# Altium PCB base-32-bit.PcbDoc (part 2 of 3) (continued)
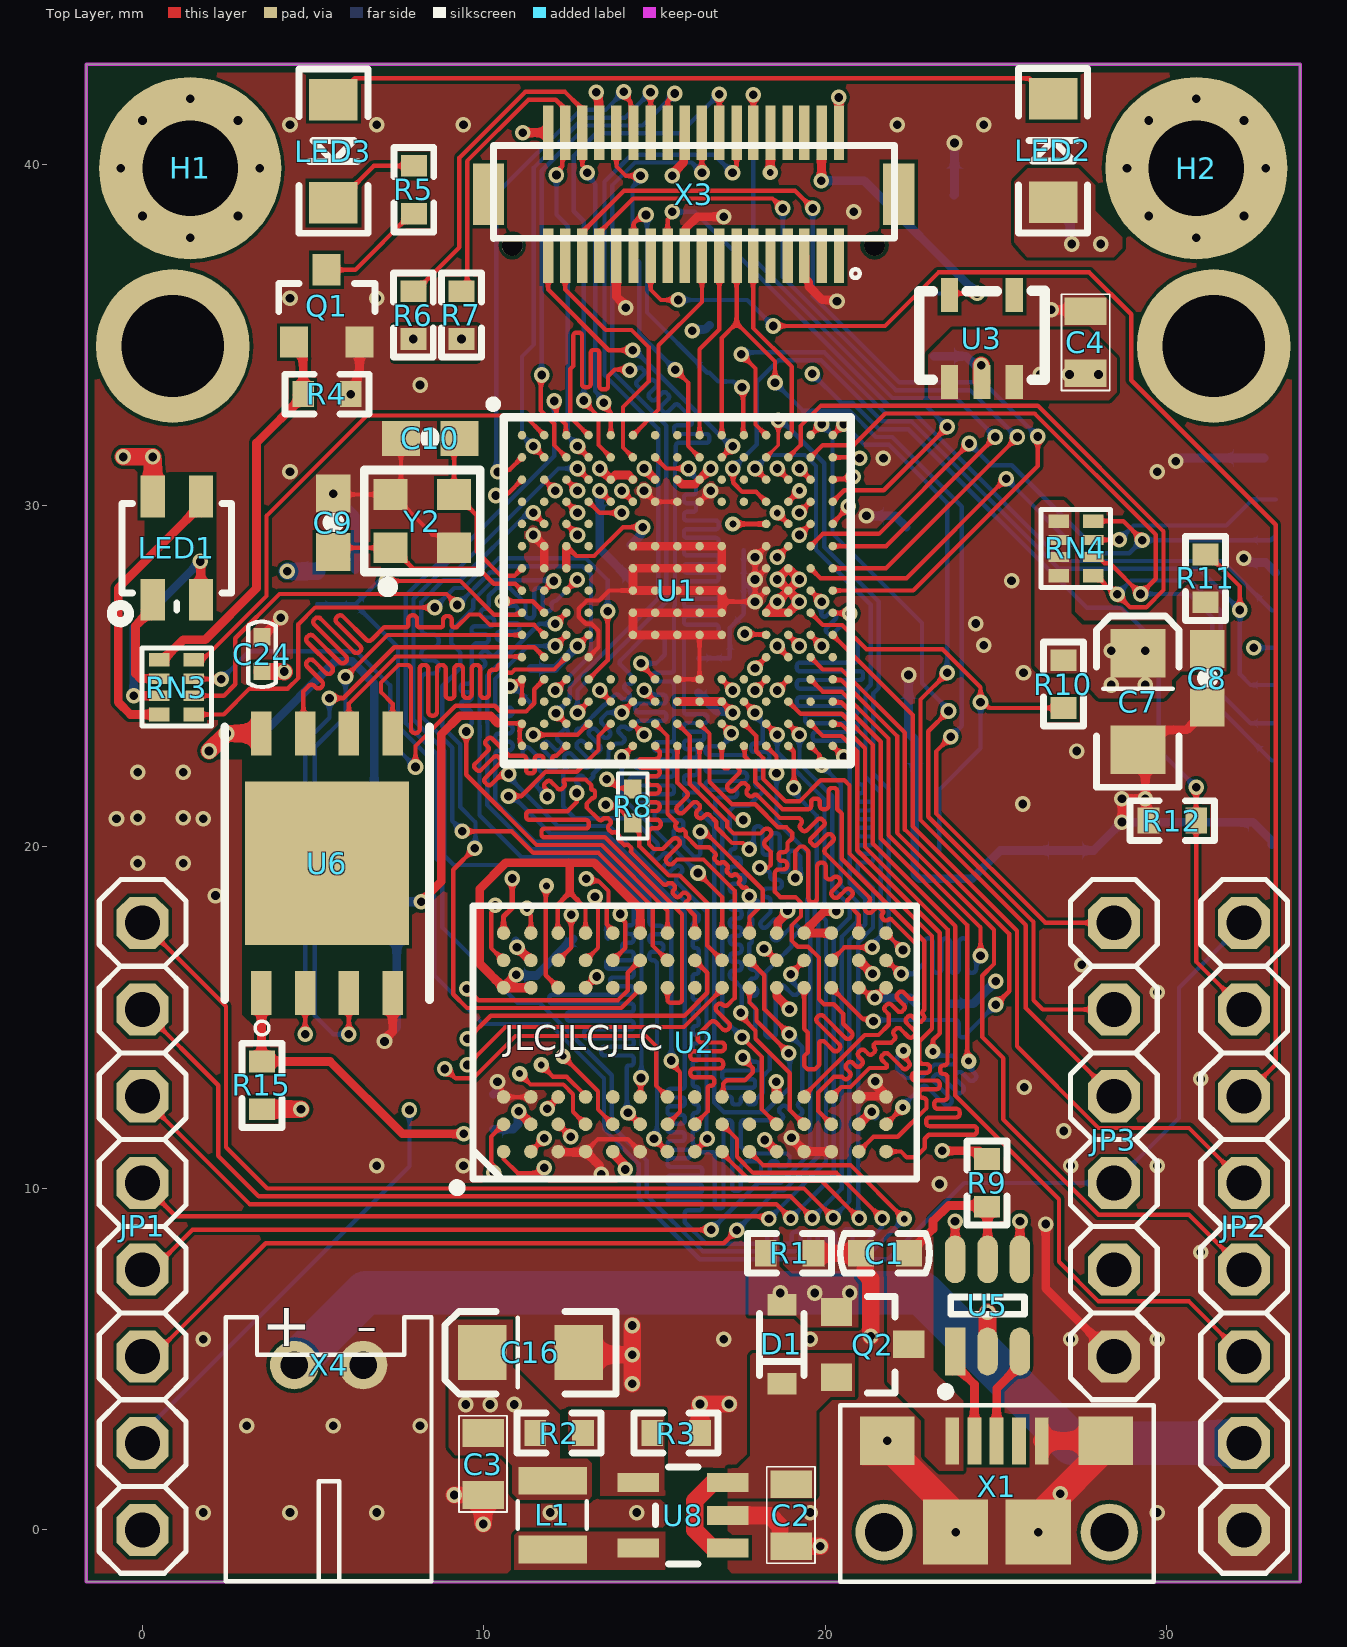
[diagram p0: Top Layer view]
## Nets (pads, with @x,y where several pads share a name; then routed paths per layer and width w, separated by ;. In a path a pad name is that pad's centre, name@x,y a point inside that pad or via, vN(x,y) a via of type N, cw(c..) or ccw(c..) an arc to the next point about the centre after c; other vN are vias at no path point) (continued)
DRAM_D10: U1.N11 U2.M2 | length 19.2
  Top Layer w0.127: v1(17.519,15.142) 17.519,15.053 17.752,14.82 17.752,14.815 17.951,14.615 17.951,14.382 18.954,13.379 18.954,12.3 U2.M2@19.374,11.88 ; U1.N11@17.613,24.26 v1(17.938,23.935)
  Bottom Layer w0.127: v1(17.519,15.142) 17.544,15.167 17.544,15.888 17.304,16.129 cw(c17.304,16.231) 17.202,16.231 17.202,16.281 cw(c17.304,16.281) 17.304,16.383 17.443,16.383 ccw(c17.443,16.485) 17.544,16.485 17.544,16.535 ccw(c17.443,16.535) 17.443,16.637 17.304,16.637 cw(c17.304,16.739) 17.202,16.739 17.202,16.789 cw(c17.304,16.789) 17.304,16.891 17.443,16.891 ccw(c17.443,16.993) 17.544,16.993 17.544,17.043 ccw(c17.443,17.043) 17.443,17.145 17.304,17.145 cw(c17.304,17.247) 17.202,17.247 17.202,17.297 cw(c17.304,17.297) 17.304,17.399 17.443,17.399 ccw(c17.443,17.501) 17.544,17.501 17.544,17.551 ccw(c17.443,17.551) 17.443,17.653 17.304,17.653 cw(c17.304,17.755) 17.202,17.755 17.202,17.805 cw(c17.304,17.805) 17.304,17.907 17.443,17.907 ccw(c17.443,18.009) 17.544,18.009 17.544,18.059 ccw(c17.443,18.059) 17.443,18.161 17.304,18.161 cw(c17.304,18.263) 17.202,18.263 17.202,18.313 cw(c17.304,18.313) 17.304,18.415 ccw(c17.304,18.472) 17.361,18.472 17.361,18.612 ccw(c17.304,18.612) 17.304,18.669 cw(c17.304,18.771) 17.202,18.771 17.202,18.821 cw(c17.304,18.821) 17.304,18.923 17.535,18.923 ccw(c17.535,19.025) 17.637,19.025 17.637,19.075 ccw(c17.535,19.075) 17.535,19.177 17.304,19.177 cw(c17.304,19.279) 17.202,19.279 17.202,19.329 cw(c17.304,19.329) 17.304,19.431 17.419,19.431 ccw(c17.419,19.533) 17.521,19.533 17.521,19.583 ccw(c17.419,19.583) 17.419,19.685 17.304,19.685 cw(c17.304,19.787) 17.202,19.787 17.202,19.837 cw(c17.304,19.837) 17.304,19.939 ccw(c17.304,19.996) 17.361,19.996 17.361,20.32 17.202,20.479 17.202,21.076 17.335,21.209 17.755,21.209 18.161,21.615 18.161,21.662 ccw(c18.059,21.662) 18.059,21.764 18.04,21.764 cw(c18.04,21.865) 17.938,21.865 17.938,21.916 cw(c18.04,21.916) 18.04,22.018 18.059,22.018 ccw(c18.059,22.119) 18.161,22.119 18.161,22.17 ccw(c18.059,22.17) 18.059,22.272 18.04,22.272 cw(c18.04,22.373) 17.938,22.373 17.938,22.424 cw(c18.04,22.424) 18.04,22.526 18.258,22.526 ccw(c18.258,22.627) 18.36,22.627 18.36,22.678 ccw(c18.258,22.678) 18.258,22.78 17.923,22.78 cw(c17.923,22.881) 17.822,22.881 17.822,22.932 cw(c17.923,22.932) 17.923,23.034 18.059,23.034 ccw(c18.059,23.135) 18.161,23.135 18.161,23.623 17.938,23.846 v1(17.938,23.935)
DRAM_D11: U1.P11 U2.P1 | length 20.1
  Top Layer w0.127: U1.P11@17.613,23.61 17.973,23.25 17.973,22.807 18.174,22.606 18.174,21.998 18.836,21.336 19.238,21.336 19.861,21.958 20.549,21.958 20.703,21.804 20.703,19.81 23.12,17.393 23.12,14.674 22.755,14.31 22.755,13.745 ccw(c22.857,13.745) 22.857,13.643 22.96,13.643 cw(c22.96,13.542) 23.062,13.542 23.062,13.491 cw(c22.96,13.491) 22.96,13.389 22.734,13.389 22.63,13.389 ccw(c22.63,13.288) 22.528,13.288 22.528,13.262 ccw(c22.63,13.262) 22.63,13.161 23.018,13.161 23.245,13.161 cw(c23.245,13.059) 23.346,13.059 23.346,13.008 cw(c23.245,13.008) 23.245,12.907 22.857,12.907 ccw(c22.857,12.805) 22.755,12.805 22.755,12.754 ccw(c22.857,12.754) 22.857,12.653 cw(c22.857,12.551) 22.958,12.551 22.958,12.354 22.119,11.515 21.409,11.515 U2.P1@20.974,11.08
DRAM_D12: U1.R11 U2.N2 | length 20.2
  Top Layer w0.127: U1.R11@17.613,22.96 17.637,22.936 17.637,22.648 17.945,22.34 17.945,21.904 18.741,21.107 19.482,21.107 ccw(c19.482,21.209) 19.583,21.209 19.583,21.316 cw(c19.685,21.316) 19.685,21.417 19.736,21.417 cw(c19.736,21.316) 19.837,21.316 19.837,21.209 ccw(c19.939,21.209) 19.939,21.107 19.99,21.107 ccw(c19.99,21.209) 20.091,21.209 20.091,21.628 cw(c20.193,21.628) 20.193,21.73 20.244,21.73 cw(c20.244,21.628) 20.345,21.628 20.345,21.107 20.475,20.978 20.475,19.658 22.891,17.241 22.891,15.233 22.861,15.203 ccw(c22.921,15.143) 22.861,15.083 cw(c22.79,15.011) 22.861,14.94 22.826,14.904 cw(c22.754,14.975) 22.682,14.904 22.557,15.029 ccw(c22.485,14.957) 22.413,15.029 22.377,14.993 ccw(c22.449,14.921) 22.377,14.849 22.602,14.624 cw(c22.531,14.552) 22.602,14.48 22.566,14.444 cw(c22.495,14.516) 22.423,14.444 22.198,14.669 ccw(c22.126,14.597) 22.054,14.669 22.018,14.633 ccw(c22.09,14.562) 22.018,14.49 cw(c21.953,14.425) 22.018,14.36 21.924,14.266 21.467,14.266 21.425,14.224 ccw(c21.473,14.176) 21.425,14.128 cw(c21.353,14.056) 21.425,13.984 21.389,13.948 cw(c21.317,14.02) 21.245,13.948 21.157,14.036 ccw(c21.085,13.964) 21.014,14.036 20.978,14 ccw(c21.05,13.928) 20.978,13.856 21.066,13.769 cw(c20.994,13.697) 21.066,13.625 21.03,13.589 cw(c20.958,13.661) 20.886,13.589 20.798,13.677 ccw(c20.726,13.605) 20.654,13.677 20.619,13.641 ccw(c20.69,13.569) 20.619,13.497 20.706,13.409 cw(c20.634,13.337) 20.706,13.266 20.67,13.23 cw(c20.599,13.302) 20.527,13.23 20.485,13.271 20.249,13.271 19.787,12.809 19.787,12.267 U2.N2@20.174,11.88
DRAM_D13: U1.P15 U2.R1 | length 20.2
  Top Layer w0.127: U1.P15@20.213,23.61 20.237,23.586 20.467,23.586 21.16,22.893 21.16,19.999 23.577,17.583 23.577,13.987 23.575,13.985 23.575,13.706 cw(c23.473,13.706) 23.473,13.604 23.463,13.604 ccw(c23.463,13.502) 23.361,13.502 23.361,13.452 ccw(c23.463,13.452) 23.463,13.35 23.473,13.35 cw(c23.473,13.248) 23.575,13.248 23.575,12.69 cw(c23.473,12.69) 23.473,12.588 23.288,12.588 ccw(c23.288,12.486) 23.187,12.486 23.187,12.436 ccw(c23.288,12.436) 23.288,12.334 23.827,12.334 cw(c23.827,12.232) 23.929,12.232 23.929,12.182 cw(c23.827,12.182) 23.827,12.08 23.05,12.08 ccw(c23.05,11.978) 22.948,11.978 22.948,11.928 ccw(c23.05,11.928) 23.05,11.826 24.335,11.826 cw(c24.335,11.724) 24.437,11.724 24.437,11.674 cw(c24.335,11.674) 24.335,11.572 23.027,11.572 22.911,11.455 22.911,11.189 22.631,10.909 22.382,10.909 22.211,11.08 U2.R1@21.774,11.08
DRAM_D14: U1.P14 U2.N3 | length 19.1
  Top Layer w0.127: U1.P14@19.563,23.61 19.923,23.25 20.48,23.25 20.932,22.798 20.932,19.905 23.348,17.488 23.348,14.541 23.145,14.338 v4(23.145,14.012) ; U2.N3@20.174,12.68 20.465,12.971 20.735,12.971 21.293,13.529 21.774,13.529 ccw(c21.715,13.588) 21.774,13.647 21.664,13.756 cw(c21.736,13.828) 21.664,13.9 21.7,13.936 cw(c21.772,13.864) 21.844,13.936 22.256,13.524 ccw(c22.328,13.596) 22.399,13.524 22.435,13.56 ccw(c22.364,13.632) 22.435,13.704 22.264,13.875 cw(c22.335,13.947) 22.264,14.019 v4(22.282,14.037) v4@22.282,14.027
  Bottom Layer w0.127: v4(22.282,14.037) 22.098,13.853 22.098,13.487 22.352,13.233 22.796,13.233 23.194,13.631 23.689,13.631 ccw(c23.689,13.745) 23.803,13.745 23.803,13.77 ccw(c23.689,13.77) 23.689,13.885 23.259,13.885 cw(c23.259,13.999) 23.145,13.999 v4(23.145,14.012)
DRAM_D15: U1.N15 U2.R2 | length 19.1
  Top Layer w0.127: U1.N15@20.213,24.26 20.237,24.236 20.463,24.236 21.618,23.082 21.618,20.247 24.148,17.716 24.148,13.774 v4(24.194,13.729) ; U2.R2@21.774,11.88 22.263,12.369 v4(22.263,12.376)
  Bottom Layer w0.127: v4(22.263,12.376) 22.263,12.421 22.796,12.953 22.814,12.971 cw(c22.894,12.89) 22.975,12.971 23.484,12.462 ccw(c23.565,12.543) 23.646,12.462 23.664,12.48 ccw(c23.583,12.561) 23.664,12.642 23.177,13.129 cw(c23.258,13.21) 23.177,13.29 23.195,13.308 cw(c23.276,13.228) 23.357,13.308 23.843,12.822 ccw(c23.924,12.903) 24.005,12.822 24.023,12.84 ccw(c23.942,12.92) 24.023,13.001 23.825,13.199 cw(c23.906,13.28) 23.825,13.361 23.843,13.378 cw(c23.924,13.298) 24.005,13.378 24.202,13.181 ccw(c24.283,13.262) 24.364,13.181 24.382,13.199 ccw(c24.301,13.28) 24.382,13.361 24.185,13.558 cw(c24.265,13.639) 24.185,13.72 v4(24.194,13.729)
DRAM_D16: U1.M12 U2.E8 | length 19.4
  Top Layer w0.127: U2.E8@13.774,16.68 14.139,17.045 14.139,17.798 13.988,17.948 v1(13.988,18.038) ; v1(17.938,24.585) U1.M12@18.263,24.91
  PWR w0.127: v1(13.988,18.038) 14.052,18.101 14.253,18.101 14.262,18.11 ccw(c14.181,18.19) 14.262,18.271 14.022,18.511 cw(c14.103,18.592) 14.022,18.673 14.04,18.691 cw(c14.121,18.61) 14.202,18.691 14.87,18.022 ccw(c14.951,18.103) 15.032,18.022 15.05,18.04 ccw(c14.969,18.121) 15.05,18.202 14.372,18.879 cw(c14.453,18.96) 14.372,19.041 14.39,19.059 cw(c14.471,18.978) 14.551,19.059 15.205,18.406 ccw(c15.286,18.487) 15.366,18.406 15.384,18.424 ccw(c15.303,18.505) 15.384,18.585 14.731,19.239 cw(c14.812,19.319) 14.731,19.4 14.749,19.418 cw(c14.83,19.337) 14.911,19.418 15.101,19.228 15.218,19.228 15.321,19.331 15.321,19.511 15.162,19.67 cw(c15.243,19.751) 15.162,19.831 15.18,19.849 cw(c15.261,19.768) 15.342,19.849 15.429,19.762 ccw(c15.51,19.843) 15.59,19.762 15.608,19.78 ccw(c15.528,19.861) 15.608,19.942 15.521,20.029 cw(c15.602,20.11) 15.521,20.191 15.9,20.57 16.479,21.148 16.479,22.423 16.713,22.657 16.713,22.662 16.853,22.662 ccw(c16.853,22.776) 16.967,22.776 16.967,22.801 ccw(c16.853,22.801) 16.853,22.916 16.593,22.916 cw(c16.593,23.03) 16.479,23.03 16.479,23.055 cw(c16.593,23.055) 16.593,23.17 16.739,23.17 ccw(c16.739,23.284) 16.853,23.284 16.853,23.309 ccw(c16.739,23.309) 16.739,23.424 16.593,23.424 cw(c16.593,23.538) 16.479,23.538 16.479,23.563 cw(c16.593,23.563) 16.593,23.678 16.78,23.678 ccw(c16.78,23.792) 16.894,23.792 16.894,23.817 ccw(c16.78,23.817) 16.78,23.932 16.593,23.932 cw(c16.593,24.046) 16.479,24.046 16.479,24.071 cw(c16.593,24.071) 16.593,24.186 16.829,24.186 ccw(c16.829,24.3) 16.944,24.3 16.944,24.325 ccw(c16.829,24.325) 16.829,24.44 16.828,24.44 cw(c16.828,24.554) 16.713,24.554 16.713,24.567 17.125,24.979 17.544,24.979 v1(17.938,24.585)
DRAM_D17: U1.M13 U2.D7 | length 19.3
  Top Layer w0.127: U2.D7@12.974,15.88 v1(13.299,16.205) ; v1(18.588,24.585) U1.M13@18.913,24.91
  PWR w0.127: v1(13.299,16.205) 13.538,16.205 15.646,18.313 15.646,19.495 16.208,20.057 16.501,20.057 16.732,20.287 16.732,20.614 16.713,20.632 16.713,21.298 cw(c16.828,21.298) 16.828,21.412 17.061,21.412 ccw(c17.061,21.526) 17.175,21.526 17.175,21.552 ccw(c17.061,21.552) 17.061,21.666 16.828,21.666 cw(c16.828,21.78) 16.713,21.78 16.713,22.047 16.801,22.135 cw(c16.882,22.054) 16.963,22.135 17.55,21.547 ccw(c17.631,21.628) 17.712,21.547 17.73,21.565 ccw(c17.649,21.646) 17.73,21.727 17.061,22.395 cw(c17.114,22.448) 17.061,22.5 17.137,22.575 cw(c17.189,22.523) 17.241,22.575 17.99,21.826 ccw(c18.071,21.907) 18.152,21.826 18.17,21.844 ccw(c18.089,21.925) 18.17,22.006 17.405,22.77 cw(c17.486,22.851) 17.405,22.932 17.423,22.95 cw(c17.504,22.869) 17.585,22.95 18.111,22.424 ccw(c18.192,22.504) 18.273,22.424 18.291,22.442 ccw(c18.21,22.522) 18.291,22.603 17.674,23.22 cw(c17.755,23.301) 17.674,23.382 17.692,23.4 cw(c17.773,23.319) 17.853,23.4 17.981,23.272 ccw(c18.062,23.352) 18.143,23.272 18.161,23.29 ccw(c18.08,23.37) 18.161,23.451 18.139,23.473 cw(c18.192,23.526) 18.139,23.579 18.213,23.653 18.319,23.653 18.588,23.922 v1(18.588,24.585)
DRAM_D18: U1.L13 U2.D8 | length 19.3
  Top Layer w0.127: U2.D8@12.974,16.68 13.339,17.045 13.339,18.369 13.252,18.456 v1(13.252,18.546) ; v1(18.586,25.886) U1.L13@18.913,25.56
  PWR w0.127: v1@13.252,18.568 v1(13.252,18.546) 13.523,18.816 13.523,19.149 cw(c13.597,19.075) 13.671,19.149 ccw(c13.752,19.23) 13.833,19.149 13.851,19.167 ccw(c13.77,19.248) 13.851,19.329 13.717,19.463 cw(c13.798,19.544) 13.717,19.624 13.735,19.642 cw(c13.816,19.561) 13.896,19.642 14.031,19.508 ccw(c14.111,19.589) 14.192,19.508 14.21,19.526 ccw(c14.129,19.607) 14.21,19.688 14.136,19.762 ; 14.136,19.762 cw(c14.214,19.84) 14.136,19.918 ; 14.136,19.919 14.159,19.942 cw(c14.237,19.863) 14.316,19.942 14.39,19.867 ccw(c14.471,19.948) 14.551,19.867 14.569,19.885 ccw(c14.489,19.966) 14.569,20.047 14.495,20.121 ; 14.495,20.121 cw(c14.573,20.199) 14.495,20.278 14.518,20.301 cw(c14.596,20.223) 14.675,20.301 14.749,20.227 ccw(c14.83,20.307) 14.911,20.227 14.929,20.244 ccw(c14.848,20.325) 14.929,20.406 14.854,20.48 cw(c14.933,20.559) 14.854,20.637 ; 14.854,20.637 14.877,20.66 ; 14.878,20.66 cw(c14.956,20.582) 15.034,20.66 15.108,20.586 ccw(c15.189,20.667) 15.27,20.586 15.288,20.604 ccw(c15.207,20.685) 15.288,20.765 15.214,20.84 cw(c15.292,20.918) 15.213,20.996 15.237,21.019 cw(c15.315,20.941) 15.393,21.019 15.467,20.945 ccw(c15.548,21.026) 15.629,20.945 15.647,20.963 ccw(c15.566,21.044) 15.647,21.125 15.573,21.199 cw(c15.651,21.277) 15.573,21.355 15.596,21.378 ; 15.596,21.379 cw(c15.674,21.3) 15.752,21.378 15.809,21.322 ccw(c15.889,21.403) 15.97,21.322 ; 15.988,21.34 15.97,21.322 ; 17.82,25.866 ccw(c17.82,25.752) 17.815,25.866 ; v1@18.586,25.926 v1(18.586,25.886) v1@18.586,25.864 ; v1@18.608,25.864 v1@18.586,25.864 ; 15.97,21.322 16.022,21.374 16.022,24.522 17.154,25.654 17.405,25.654 17.566,25.493 17.592,25.493 ccw(c17.592,25.607) 17.706,25.607 17.706,25.752 cw(c17.82,25.752) 17.815,25.866 ; 17.815,25.866 18.025,25.866 18.39,25.502 18.39,25.159 18.57,24.979 18.751,24.979 19.054,24.676 19.202,24.676 19.367,24.841 19.367,25.104 19.212,25.26 18.999,25.26 18.872,25.387 18.872,25.578 v1@18.586,25.864
DRAM_D19: U1.L12 U2.B9 | length 19.2
  Top Layer w0.127: v4(11.258,18.203) 11.258,18.115 11.374,17.999 U2.B9@11.374,17.48 ; v1(17.938,25.235) U1.L12@18.263,25.56
  PWR w0.127: v4(11.258,18.203) 11.258,17.99 11.476,17.772 12.091,17.772 12.357,17.506 12.357,17.196 12.751,16.802 13.061,16.802 13.231,16.632 ccw(c13.311,16.713) 13.392,16.632 13.41,16.65 ccw(c13.329,16.731) 13.41,16.812 12.741,17.481 cw(c12.822,17.562) 12.741,17.643 12.759,17.661 cw(c12.84,17.58) 12.921,17.661 13.715,16.867 ccw(c13.796,16.948) 13.876,16.867 13.894,16.885 ccw(c13.814,16.965) 13.894,17.046 13.002,17.939 cw(c13.083,18.02) 13.002,18.1 13.02,18.118 cw(c13.101,18.037) 13.182,18.118 13.382,17.918 ccw(c13.463,17.999) 13.543,17.918 13.561,17.936 ccw(c13.48,18.017) 13.561,18.098 13.542,18.117 cw(c13.623,18.198) 13.542,18.279 13.76,18.497 13.76,18.752 16.25,21.243 16.25,24.427 17.058,25.235 v1(17.938,25.235)
DRAM_D20: U1.K12 U2.C8 | length 19.4
  Top Layer w0.127: U2.C8@12.174,16.68 12.553,17.059 v1(12.553,18.012) ; v1(17.633,26.242) 17.649,26.226 18.247,26.226 U1.K12@18.263,26.21
  PWR w0.127: v1(12.553,18.012) 12.22,18.346 12.22,18.941 cw(c12.334,18.941) 12.334,19.056 12.439,19.056 ccw(c12.439,19.17) 12.553,19.17 12.553,19.437 13.021,19.904 13.798,19.904 15.793,21.899 15.793,24.874 cw(c15.907,24.874) 15.907,24.988 15.922,24.988 ccw(c15.922,25.102) 16.036,25.102 16.036,25.128 ccw(c15.922,25.128) 15.922,25.242 15.907,25.242 cw(c15.907,25.356) 15.793,25.356 15.793,25.623 cw(c15.852,25.564) 15.912,25.623 16.275,25.26 ccw(c16.356,25.341) 16.436,25.26 16.454,25.278 ccw(c16.374,25.359) 16.454,25.439 15.827,26.067 cw(c15.907,26.148) 15.827,26.229 15.845,26.247 cw(c15.925,26.166) 16.006,26.247 16.634,25.619 ccw(c16.715,25.7) 16.796,25.619 16.814,25.637 ccw(c16.733,25.718) 16.814,25.799 15.95,26.662 cw(c16.031,26.743) 15.95,26.824 15.968,26.842 cw(c16.049,26.761) 16.13,26.842 17.055,25.916 ccw(c17.136,25.997) 17.217,25.916 17.424,26.124 17.426,26.124 17.544,26.242 v1(17.633,26.242)
DRAM_D21: U1.E12 U2.A9 | length 19.4
  Top Layer w0.152: U2.A9@10.574,17.48 10.574,17.96 10.826,18.212 v1(10.826,19.079) ; v4(17.288,29.46) U1.E12@18.263,29.46
  PWR w0.152: v1(10.826,19.079) 11.086,19.079 11.274,19.267 ccw(c11.177,19.364) 11.274,19.461 11.23,19.504 cw(c11.327,19.601) 11.23,19.698 11.252,19.72 cw(c11.349,19.623) 11.446,19.72 11.489,19.676 ccw(c11.586,19.773) 11.683,19.676 11.705,19.698 ccw(c11.608,19.795) 11.705,19.892 11.661,19.935 cw(c11.758,20.032) 11.661,20.129 11.683,20.151 cw(c11.78,20.054) 11.877,20.151 11.92,20.107 ccw(c12.017,20.204) 12.114,20.107 12.136,20.129 ccw(c12.039,20.226) 12.136,20.323 12.092,20.366 cw(c12.189,20.463) 12.092,20.56 12.114,20.582 cw(c12.211,20.485) 12.308,20.582 12.351,20.538 ccw(c12.448,20.635) 12.545,20.538 12.837,20.83 13.736,20.83 14.028,21.122 ; 14.028,21.191 14.028,21.122 ; v4(17.288,29.46) 15.095,27.266 15.095,22.257 14.868,22.031 cw(c14.771,22.128) 14.674,22.031 14.439,22.267 ccw(c14.342,22.17) 14.245,22.267 14.223,22.245 ccw(c14.32,22.148) 14.223,22.051 14.459,21.816 cw(c14.362,21.719) 14.459,21.622 14.437,21.6 cw(c14.34,21.697) 14.243,21.6 14.11,21.734 ccw(c14.013,21.637) 13.916,21.734 13.894,21.712 ccw(c13.991,21.615) 13.894,21.518 14.028,21.385 14.028,21.122
DRAM_D22: U1.E13 U2.C7 | length 19.3
  Top Layer w0.127: v4(11.829,18.863) 11.809,18.842 11.809,16.245 U2.C7@12.174,15.88 ; v4(18.588,29.785) U1.E13@18.913,29.46
  PWR w0.127: v4(11.829,18.863) 11.829,19.036 12.926,20.133 13.704,20.133 15.565,21.994 15.565,26.82 16.216,27.472 cw(c16.297,27.391) 16.378,27.472 16.575,27.274 ccw(c16.656,27.355) 16.737,27.274 16.755,27.292 ccw(c16.674,27.373) 16.755,27.454 16.557,27.651 cw(c16.638,27.732) 16.557,27.813 16.575,27.831 cw(c16.656,27.75) 16.737,27.831 16.891,27.677 ccw(c16.972,27.758) 17.053,27.677 17.071,27.695 ccw(c16.99,27.776) 17.071,27.857 16.917,28.011 cw(c16.997,28.092) 16.917,28.172 18.529,29.785 v4(18.588,29.785)
DRAM_D23: U1.D13 U2.A8 | length 19.2
  Top Layer w0.127: v1(10.331,18.292) 10.331,18.202 10.209,18.08 10.209,17.045 U2.A8@10.574,16.68 ; U1.D13@18.913,30.11 v4(19.238,30.435)
  PWR w0.127: v1(10.331,18.292) 10.375,18.335 10.75,18.335 12.9,20.485 13.733,20.485 15.336,22.088 15.336,26.956 17.945,29.565 17.945,29.858 18.522,30.435 v4(19.238,30.435)
DRAM_D24: U1.E14 U2.A2 | length 26.9
  Top Layer w0.127: v1(10.287,10.465) 10.209,10.543 10.209,11.515 U2.A2@10.574,11.88 ; v1(19.238,29.135) U1.E14@19.563,29.46
  GND w0.127: v1(10.287,10.465) 10.764,9.988 12.215,9.988 13.39,11.163 13.39,12.776 16.432,15.817 16.432,18.843 16.853,19.265 16.853,27.956 17.775,28.879 18.902,28.879 19.158,29.135 v1(19.238,29.135)
DRAM_D25: U1.D14 U2.C3 | length 26.9
  Top Layer w0.127: v1(11.849,12.338) 11.849,12.346 12.174,12.671 U2.C3@12.174,12.68 ; v1(19.238,29.785) U1.D14@19.563,30.11
  GND w0.127: v1(11.849,12.338) 11.367,11.855 11.367,10.45 11.6,10.216 12.12,10.216 13.161,11.257 13.161,12.87 15.754,15.463 15.754,20.423 16.454,21.123 16.454,27.88 17.68,29.107 18.56,29.107 v1(19.238,29.785)
DRAM_D26: U1.C14 U2.A1 | length 26.8
  Top Layer w0.127: U2.A1@10.574,11.08 10.574,10.864 10.988,10.45 11.603,10.45 v1(11.763,10.61) ; v1(19.238,31.085) U1.C14@19.563,30.76
  GND w0.127: v1(11.763,10.61) 12.191,10.61 12.933,11.352 12.933,12.971 15.525,15.563 15.525,20.518 16.225,21.218 16.225,28.874 16.332,28.981 16.662,28.981 16.866,29.185 16.866,29.589 17.127,29.85 17.785,29.85 18.212,30.277 18.669,30.277 18.834,30.442 18.834,30.681 19.203,31.049 19.238,31.049 v1(19.238,31.085)
DRAM_D27: U1.C13 U2.C2 | length 26.8
  Top Layer w0.127: U2.C2@12.174,11.88 v1(12.539,11.515) ; v1(18.588,31.085) U1.C13@18.913,30.76
  GND w0.127: v1(12.539,11.515) 12.539,12.901 15.297,15.658 15.297,20.612 15.996,21.312 15.996,29.043 16.143,29.19 ccw(c16.062,29.27) 16.143,29.351 15.698,29.796 cw(c15.779,29.877) 15.698,29.957 15.716,29.975 cw(c15.797,29.895) 15.878,29.975 16.424,29.429 ccw(c16.505,29.51) 16.586,29.429 16.604,29.447 ccw(c16.523,29.528) 16.604,29.609 16.484,29.728 cw(c16.565,29.809) 16.484,29.89 16.502,29.908 cw(c16.583,29.827) 16.664,29.908 16.682,29.89 ccw(c16.762,29.971) 16.843,29.89 17.032,30.079 17.328,30.079 17.433,30.184 17.433,30.626 cw(c17.547,30.626) 17.547,30.74 17.573,30.74 cw(c17.573,30.626) 17.687,30.626 17.687,30.377 ccw(c17.801,30.377) 17.801,30.262 17.874,30.262 18.139,30.528 ccw(c18.085,30.582) 18.139,30.636 cw(c18.186,30.683) 18.139,30.729 18.225,30.815 cw(c18.272,30.769) 18.319,30.815 18.412,30.722 ccw(c18.493,30.803) 18.574,30.722 18.592,30.74 ccw(c18.511,30.821) 18.592,30.902 18.579,30.914 cw(c18.66,30.995) 18.579,31.076 v1(18.588,31.085)
DRAM_D28: U1.C3 U2.B1 | length 27
  Top Layer w0.127: U2.B1@11.374,11.08 v1(11.763,11.469) ; U1.C3@12.413,30.76 v1(12.738,30.435)
  GND w0.127: v1(11.763,11.469) 12.31,12.016 12.31,12.995 15.068,15.753 15.068,20.707 15.768,21.407 15.768,27.079 14.886,27.96 14.739,28.107 14.721,28.125 cw(c14.802,28.206) 14.721,28.287 15.262,28.827 ccw(c15.181,28.908) 15.262,28.989 15.244,29.007 ccw(c15.163,28.926) 15.082,29.007 14.541,28.467 cw(c14.461,28.547) 14.38,28.467 14.362,28.485 cw(c14.443,28.565) 14.362,28.646 14.506,28.79 ccw(c14.425,28.871) 14.506,28.952 14.488,28.97 ccw(c14.407,28.889) 14.326,28.97 14.182,28.826 cw(c14.101,28.907) 14.021,28.826 14.003,28.844 cw(c14.083,28.925) 14.003,29.005 14.175,29.178 ccw(c14.094,29.259) 14.175,29.34 14.157,29.358 ccw(c14.077,29.277) 13.996,29.358 13.823,29.185 cw(c13.742,29.266) 13.661,29.185 13.643,29.203 cw(c13.724,29.284) 13.643,29.365 13.726,29.447 ccw(c13.679,29.494) 13.726,29.54 13.639,29.627 ccw(c13.593,29.58) 13.546,29.627 13.464,29.544 cw(c13.383,29.625) 13.302,29.544 13.284,29.562 cw(c13.365,29.643) 13.284,29.724 13.389,29.828 ccw(c13.308,29.909) 13.389,29.99 13.371,30.008 ccw(c13.29,29.927) 13.209,30.008 13.187,29.986 cw(c13.14,30.033) 13.094,29.986 13.007,30.072 cw(c13.054,30.119) 13.007,30.166 ccw(c12.961,30.212) 13.007,30.259 12.921,30.345 ccw(c12.874,30.299) 12.828,30.345 v1(12.738,30.435)
DRAM_D29: U1.C2 U2.D2 | length 26.8
  Top Layer w0.127: v4(11.042,13.364) 11.361,13.045 12.325,13.045 12.609,12.761 12.609,12.245 U2.D2@12.974,11.88 ; U1.C2@11.763,30.76 v1(12.088,30.435)
  GND w0.127: v4(11.042,13.364) 11.042,13.646 11.493,14.097 11.775,14.097 12.205,14.527 12.205,15.888 12.713,16.396 ccw(c12.632,16.476) 12.713,16.557 12.515,16.755 cw(c12.596,16.836) 12.515,16.916 12.533,16.934 cw(c12.614,16.854) 12.695,16.934 13.023,16.606 ccw(c13.104,16.687) 13.185,16.606 13.203,16.624 ccw(c13.122,16.705) 13.203,16.786 12.874,17.114 cw(c12.955,17.195) 12.874,17.276 12.892,17.294 cw(c12.973,17.213) 13.054,17.294 13.361,16.986 ccw(c13.442,17.067) 13.523,16.986 13.541,17.004 ccw(c13.46,17.085) 13.541,17.166 13.233,17.473 cw(c13.314,17.554) 13.233,17.635 13.251,17.653 cw(c13.332,17.572) 13.413,17.653 13.721,17.345 ccw(c13.801,17.426) 13.882,17.345 ; v1(12.088,30.435) 12.088,29.029 15.082,26.035 15.082,21.691 14.382,20.991 14.382,17.845 13.882,17.345 ; 13.9,17.363 13.882,17.345
DRAM_D30: U1.D3 U2.D3 | length 26.8
  Top Layer w0.127: v4(11.677,13.618) 12.021,13.274 12.42,13.274 12.974,12.719 U2.D3@12.974,12.68 ; U1.D3@12.413,30.11 v1(12.738,29.785)
  GND w0.127: v4(11.677,13.618) 12.036,13.259 12.251,13.259 13.094,14.102 13.112,14.12 ccw(c13.031,14.201) 13.112,14.281 12.936,14.457 cw(c13.016,14.538) 12.936,14.619 12.954,14.637 cw(c13.034,14.556) 13.115,14.637 13.291,14.461 ccw(c13.372,14.542) 13.453,14.461 13.471,14.479 ccw(c13.39,14.56) 13.471,14.641 13.295,14.817 cw(c13.376,14.897) 13.295,14.978 13.313,14.996 cw(c13.394,14.915) 13.474,14.996 13.65,14.82 ccw(c13.731,14.901) 13.812,14.82 13.83,14.838 ccw(c13.749,14.919) 13.83,15 13.654,15.176 cw(c13.735,15.257) 13.654,15.337 13.672,15.355 cw(c13.753,15.275) 13.834,15.355 14.01,15.179 ccw(c14.09,15.26) 14.171,15.179 14.189,15.197 ccw(c14.108,15.278) 14.189,15.359 14.013,15.535 cw(c14.094,15.616) 14.013,15.697 14.031,15.715 cw(c14.112,15.634) 14.193,15.715 14.369,15.539 ccw(c14.45,15.619) 14.53,15.539 14.548,15.557 ccw(c14.468,15.637) 14.548,15.718 14.373,15.894 cw(c14.453,15.975) 14.373,16.056 ; v1(12.738,29.785) 13.286,29.237 cw(c13.205,29.156) 13.286,29.076 13.284,29.074 ccw(c13.365,28.993) 13.284,28.912 13.302,28.894 ccw(c13.383,28.975) 13.464,28.894 13.465,28.896 cw(c13.546,28.815) 13.627,28.896 13.645,28.878 cw(c13.564,28.797) 13.645,28.716 13.643,28.715 ccw(c13.724,28.634) 13.643,28.553 13.661,28.535 ccw(c13.742,28.616) 13.823,28.535 13.825,28.537 cw(c13.906,28.456) 13.986,28.537 14.004,28.519 cw(c13.923,28.438) 14.004,28.357 14.003,28.355 ccw(c14.083,28.275) 14.003,28.194 14.021,28.176 ccw(c14.101,28.257) 14.182,28.176 14.184,28.178 cw(c14.265,28.097) 14.346,28.178 14.364,28.16 cw(c14.283,28.079) 14.364,27.998 14.362,27.996 ccw(c14.443,27.915) 14.362,27.834 14.38,27.817 ccw(c14.461,27.897) 14.541,27.817 14.543,27.818 cw(c14.624,27.737) 14.705,27.818 14.723,27.8 cw(c14.642,27.72) 14.723,27.639 14.721,27.637 ccw(c14.802,27.556) 14.721,27.475 14.739,27.457 ccw(c14.82,27.538) 14.901,27.457 14.902,27.459 cw(c14.983,27.378) 15.064,27.459 15.082,27.441 cw(c15.001,27.36) 15.082,27.279 15.08,27.278 ccw(c15.161,27.197) 15.08,27.116 15.098,27.098 ccw(c15.179,27.179) 15.26,27.098 15.262,27.1 cw(c15.342,27.019) 15.423,27.1 15.539,26.984 15.539,21.502 14.839,20.802 14.839,16.523 14.373,16.056 ; 14.39,16.074 14.373,16.056
DRAM_D31: U1.E3 U2.E2 | length 26.8
  Top Layer w0.127: v4(12.312,13.872) 13.339,12.845 13.339,12.315 U2.E2@13.774,11.88 ; U1.E3@12.413,29.46 v1(12.738,29.135)
  GND w0.127: v4(12.312,13.872) 12.312,14.291 12.64,14.619 ccw(c12.559,14.7) 12.64,14.781 12.55,14.871 cw(c12.631,14.952) 12.55,15.033 12.568,15.051 cw(c12.649,14.97) 12.729,15.051 12.82,14.961 ccw(c12.901,15.042) 12.981,14.961 12.999,14.979 ccw(c12.918,15.06) 12.999,15.14 12.711,15.429 cw(c12.792,15.51) 12.711,15.59 12.729,15.608 cw(c12.81,15.528) 12.89,15.608 13.164,15.335 13.167,15.335 ccw(c13.248,15.416) 13.329,15.335 14.185,16.192 ccw(c14.104,16.273) 14.185,16.354 13.78,16.758 cw(c13.861,16.839) 13.78,16.92 13.798,16.938 cw(c13.879,16.857) 13.96,16.938 14.365,16.533 ccw(c14.446,16.614) 14.527,16.533 14.545,16.551 ccw(c14.464,16.632) 14.545,16.713 14.14,17.118 cw(c14.22,17.198) 14.14,17.279 14.611,17.75 14.611,20.897 15.311,21.596 15.311,26.13 15.146,26.295 15.146,26.4 15.277,26.531 ccw(c15.196,26.612) 15.277,26.693 15.259,26.711 ccw(c15.178,26.63) 15.097,26.711 14.983,26.597 cw(c14.913,26.666) 14.844,26.597 14.804,26.637 cw(c14.873,26.707) 14.804,26.776 14.869,26.842 ccw(c14.788,26.923) 14.869,27.004 14.851,27.022 ccw(c14.77,26.941) 14.69,27.022 14.624,26.956 cw(c14.554,27.026) 14.485,26.956 14.444,26.996 cw(c14.514,27.066) 14.444,27.135 14.51,27.201 ccw(c14.429,27.282) 14.51,27.363 14.492,27.381 ccw(c14.411,27.3) 14.33,27.381 14.265,27.315 cw(c14.195,27.385) 14.125,27.315 14.085,27.355 cw(c14.155,27.425) 14.085,27.495 14.151,27.56 ccw(c14.07,27.641) 14.151,27.722 14.133,27.74 ccw(c14.052,27.659) 13.971,27.74 13.905,27.674 cw(c13.836,27.744) 13.766,27.674 ; v1(12.738,29.135) 13.073,28.8 cw(c12.992,28.719) 13.073,28.638 13.007,28.572 ccw(c13.077,28.503) 13.007,28.433 13.048,28.393 ccw(c13.117,28.462) 13.187,28.393 13.253,28.458 cw(c13.334,28.378) 13.414,28.458 13.432,28.441 cw(c13.352,28.36) 13.432,28.279 13.367,28.213 ccw(c13.436,28.143) 13.367,28.074 13.407,28.034 ccw(c13.477,28.103) 13.546,28.034 13.612,28.099 cw(c13.693,28.018) 13.774,28.099 13.792,28.081 cw(c13.711,28) 13.792,27.92 13.726,27.854 ccw(c13.796,27.784) 13.726,27.715 13.766,27.674